# Altium PCB Shuttler_AMC.PcbDoc (part 3 of 12)
Units mm, origin at the board's own origin, x right, y up, seen from the top; angles counter-clockwise.
Board outline 180.71 x 148.55 mm, 12 copper layers (Layer 1, Layer 2, Layer 3, Layer 4, Layer 5, Layer 6, Layer 7, Layer 8, Layer 9, Layer 10, Layer 11, Layer 12), stack 2.14 mm thick; 1184 components, 1698 nets, 9088 pads, 920 vias.
Unrouted connection lines stored in the file: 1441.
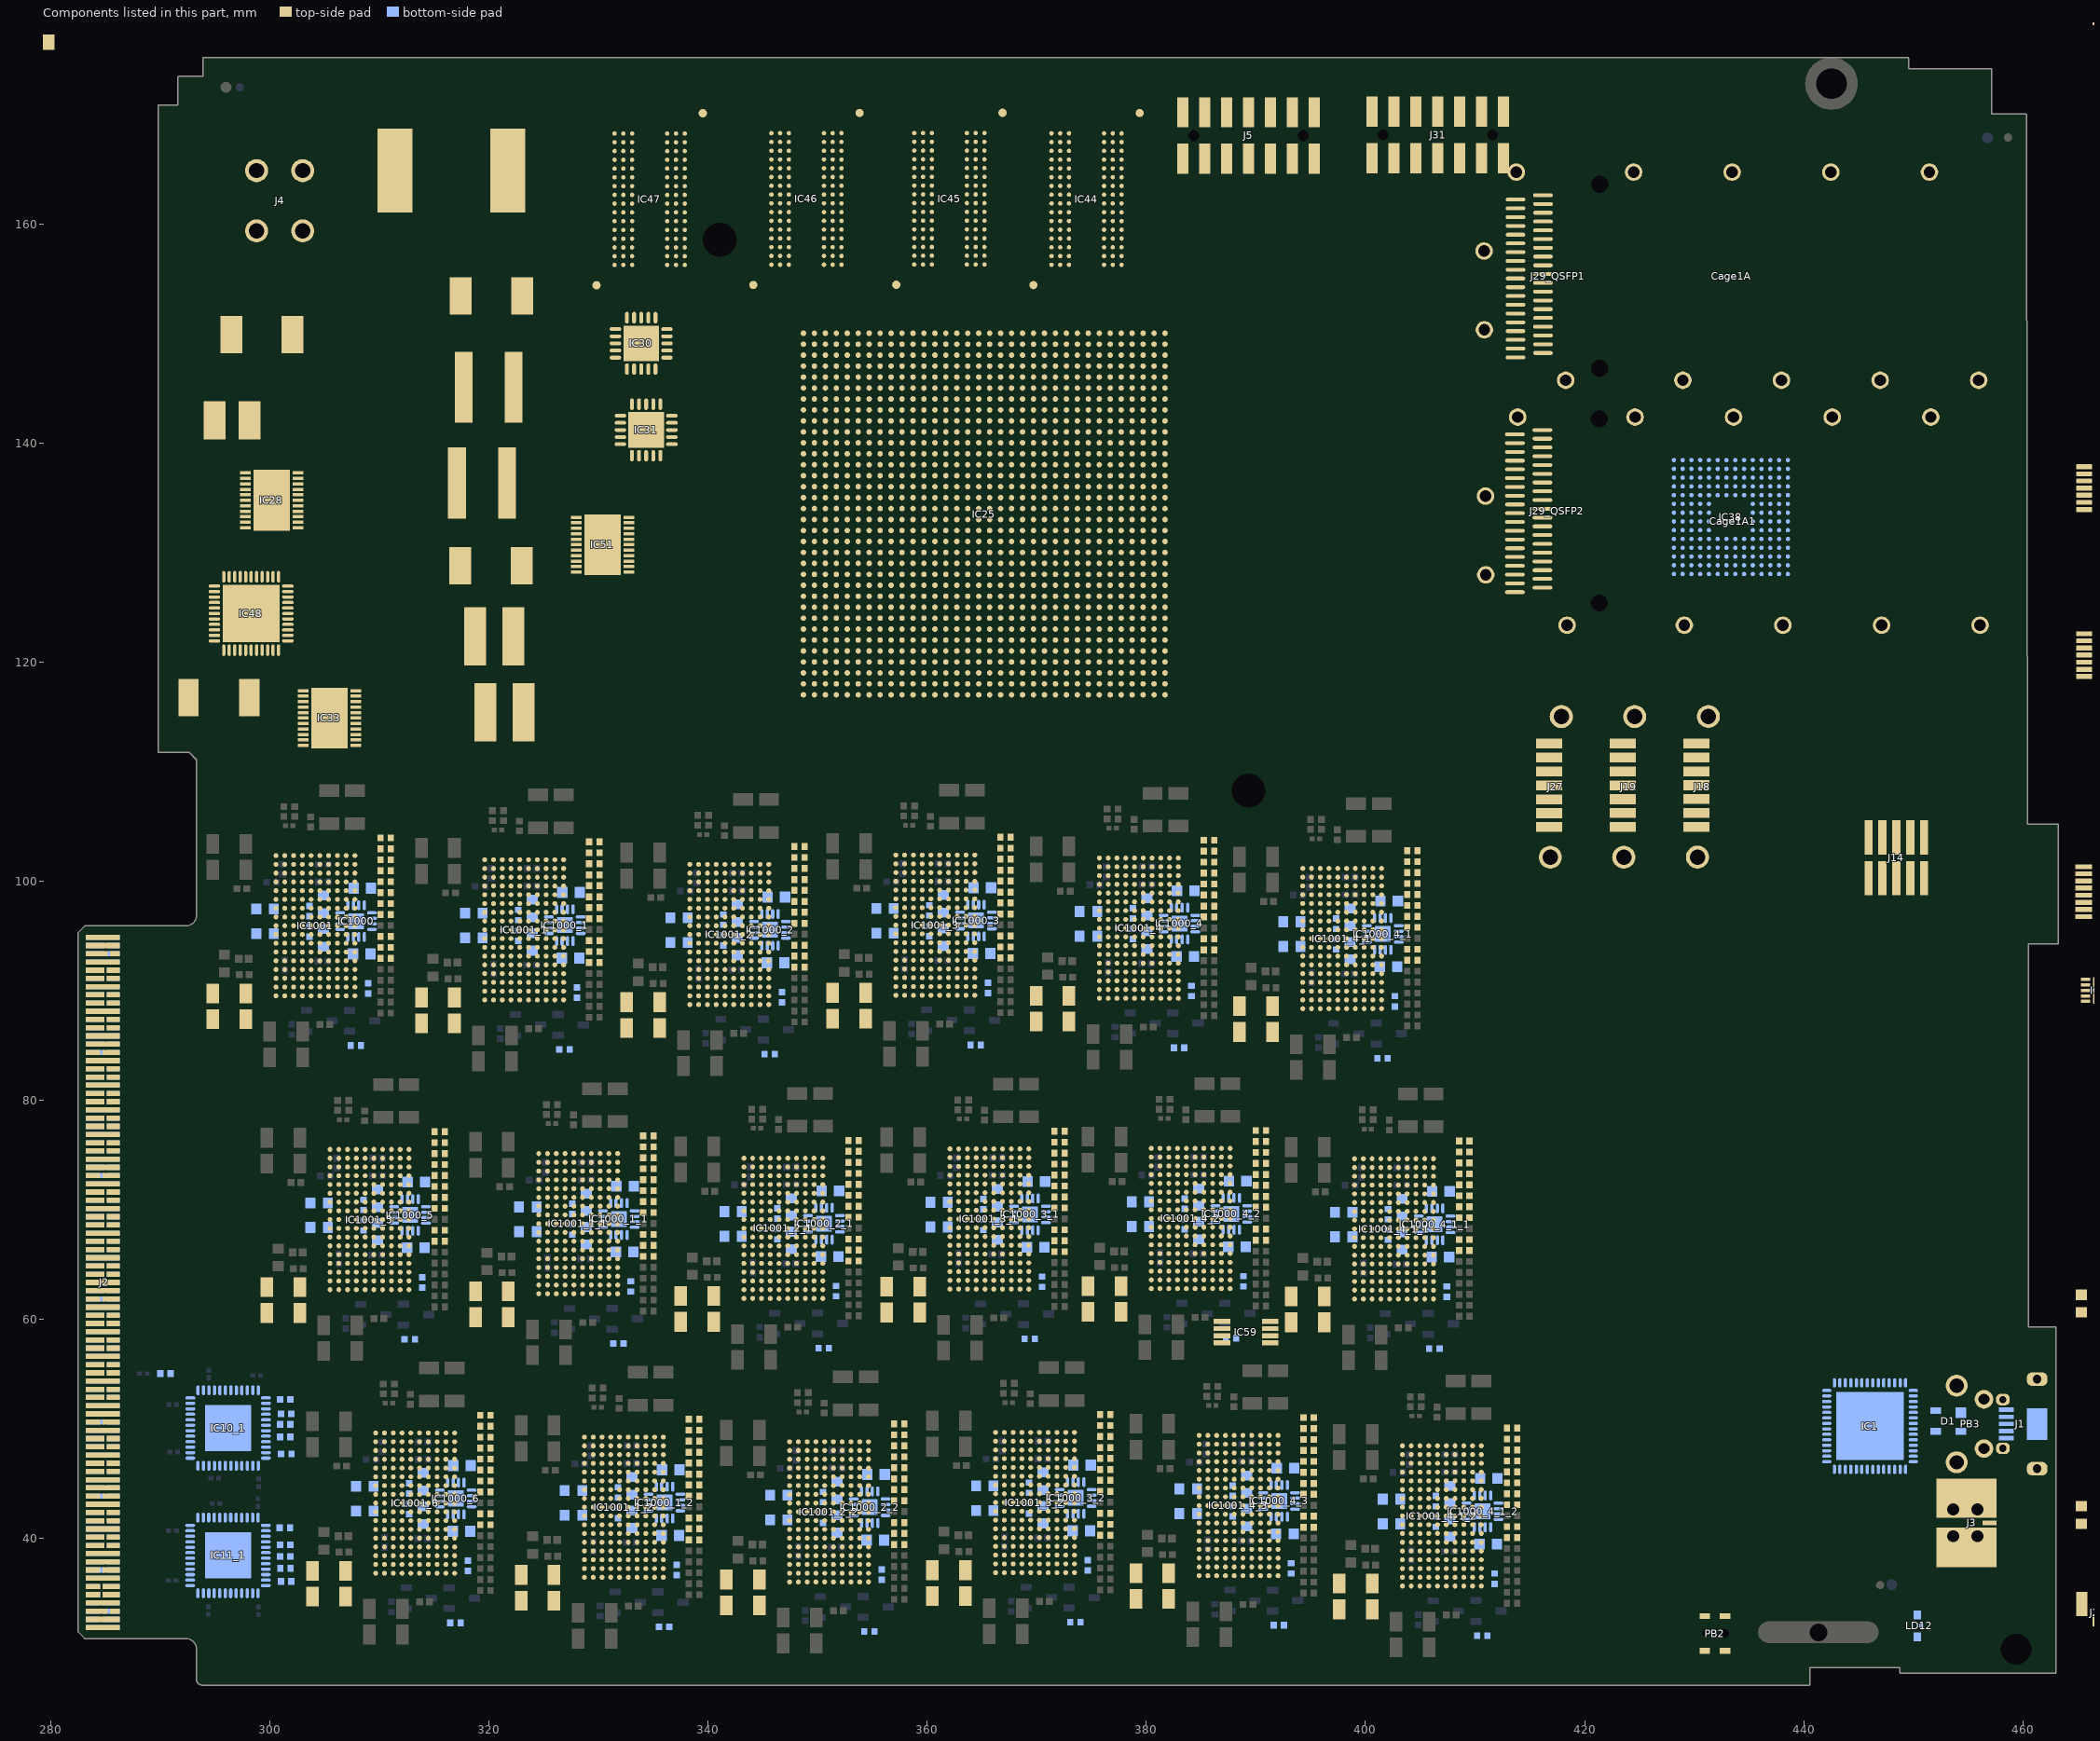
[diagram p9: the components of this part, seen from the top]

## Components (designator, comment, footprint, x,y, rotation, side; value= is the part's Value field where it differs from the comment) (continued)
C1021 "100uF" CAPC3216X180N 296.3,89.772 r0 top
C1021_1 "100uF" CAPC3216X180N 315.35,89.397 r0 top (schematic designator C1021)
C1021_1_1 "100uF" CAPC3216X180N 320.281,62.575 r0 top (schematic designator C1021)
C1021_1_2 "100uF" CAPC3216X180N 324.45,36.697 r0 top (schematic designator C1021)
C1021_2 "100uF" CAPC3216X180N 334.075,88.972 r0 top (schematic designator C1021)
C1021_2_1 "100uF" CAPC3216X180N 339.006,62.15 r0 top (schematic designator C1021)
C1021_2_2 "100uF" CAPC3216X180N 343.175,36.272 r0 top (schematic designator C1021)
C1021_3 "100uF" CAPC3216X180N 352.875,89.822 r0 top (schematic designator C1021)
C1021_3_1 "100uF" CAPC3216X180N 357.806,63 r0 top (schematic designator C1021)
C1021_3_2 "100uF" CAPC3216X180N 361.975,37.122 r0 top (schematic designator C1021)
C1021_4 "100uF" CAPC3216X180N 371.45,89.547 r0 top (schematic designator C1021)
C1021_4_1 "100uF" CAPC3216X180N 390.006,88.6 r0 top (schematic designator C1021)
C1021_4_1_1 "100uF" CAPC3216X180N 394.737,62.1 r0 top (schematic designator C1021)
C1021_4_1_2 "100uF" CAPC3216X180N 399.106,35.9 r0 top (schematic designator C1021)
C1021_4_2 "100uF" CAPC3216X180N 376.181,63.047 r0 top (schematic designator C1021)
C1021_4_3 "100uF" CAPC3216X180N 380.55,36.847 r0 top (schematic designator C1021)
C1021_5 "100uF" CAPC3216X180N 301.231,62.95 r0 top (schematic designator C1021)
C1021_6 "100uF" CAPC3216X180N 305.4,37.072 r0 top (schematic designator C1021)
C1022 "100uF" CAPC3216X180N 296.3,87.422 r0 top
C1022_1 "100uF" CAPC3216X180N 315.35,87.047 r0 top (schematic designator C1022)
C1022_1_1 "100uF" CAPC3216X180N 320.281,60.225 r0 top (schematic designator C1022)
C1022_1_2 "100uF" CAPC3216X180N 324.45,34.347 r0 top (schematic designator C1022)
C1022_2 "100uF" CAPC3216X180N 334.075,86.622 r0 top (schematic designator C1022)
C1022_2_1 "100uF" CAPC3216X180N 339.006,59.8 r0 top (schematic designator C1022)
C1022_2_2 "100uF" CAPC3216X180N 343.175,33.922 r0 top (schematic designator C1022)
C1022_3 "100uF" CAPC3216X180N 352.875,87.472 r0 top (schematic designator C1022)
C1022_3_1 "100uF" CAPC3216X180N 357.806,60.65 r0 top (schematic designator C1022)
C1022_3_2 "100uF" CAPC3216X180N 361.975,34.772 r0 top (schematic designator C1022)
C1022_4 "100uF" CAPC3216X180N 371.45,87.197 r0 top (schematic designator C1022)
C1022_4_1 "100uF" CAPC3216X180N 390.006,86.25 r0 top (schematic designator C1022)
C1022_4_1_1 "100uF" CAPC3216X180N 394.737,59.75 r0 top (schematic designator C1022)
C1022_4_1_2 "100uF" CAPC3216X180N 399.106,33.55 r0 top (schematic designator C1022)
C1022_4_2 "100uF" CAPC3216X180N 376.181,60.697 r0 top (schematic designator C1022)
C1022_4_3 "100uF" CAPC3216X180N 380.55,34.497 r0 top (schematic designator C1022)
C1022_5 "100uF" CAPC3216X180N 301.231,60.6 r0 top (schematic designator C1022)
C1022_6 "100uF" CAPC3216X180N 305.4,34.722 r0 top (schematic designator C1022)
Cage1A "1888781-1" TYCO_1888781-1 433.38,155.239 r180 top (schematic designator Cage1)
Cage1A1 "1888781-1" TYCO_1888781-1 433.51,132.875 r180 top (schematic designator Cage1)
D1 "PRTR5V0U2X" SOT190P230X110-4N 453.2,50.749 r180 bottom
HS1 "Comment" HS_AAVID_342947 365.195,133.423 r0 top locked
IC1 "FT4232H-56Q" QFN50P800X800X100-57N-S620 446.05,50.275 r180 bottom
IC2 "M93C46-WMN6TP" SOIC127P600X175-8N 572.324,161.188 r0 top
IC4 "LT3045EDD#PBF" SON50P300X300X80-11N-R175X248 483.362,41.91 r0 top
IC5 "LT3045EDD#PBF" SON50P300X300X80-11N-R175X248 517.652,41.91 r0 top
IC6 "TPS3808G33DBVT" SOT95P280X145-6N 487.934,79.248 r0 top
IC7 "LT3045EDD#PBF" SON50P300X300X80-11N-R175X248 472.821,41.91 r0 top
IC8 "LM75AIMM/NOPB" SOP65P490X109-8N 590.231,147.472 r90 top
IC9 "TCA9548ARGER" QFN50P400X400X100-25N-S220 474.98,216.281 r0 top
IC10_1 "Comment" QFN50P700X700X100-49N-S420 296.2,50.104 r0 bottom
IC11_1 "Comment" QFN50P700X700X100-49N-S420 296.184,38.47 r0 bottom
IC12 "ADCLK948BCPZ" QFN50P500X500X80-33N-S285 535.686,59.817 r0 top
IC13 "LT3045EDD#PBF" SON50P300X300X80-11N-R175X248 506.349,41.91 r0 top
IC14 "SN74CB3T3257PW" SOP65P640X120-16N 556.703,135.28 r0 top
IC15 "TLV62565DBVT" SOT95P280X145-5N 608.773,162.204 r0 top
IC16 "SN74CB3T3257PW" SOP65P640X120-16N 492.125,236.982 r0 top
IC17 "ADCLK948BCPZ" QFN50P500X500X80-33N-S285 523.113,59.817 r0 top
IC18 "TPS51200DRCT" "TEXAS_DRC (S-PVSON-N10)" 555.433,68.351 r0 top
IC19 "HMC830LP6GE" QFN50P600X600X90-41N-S475 514.604,59.436 r0 top
IC20 "SI53312-B-GM" QFN50P700X700X90-45N-S295 490.093,58.801 r0 top
IC21 "LT3045EDD#PBF" SON50P300X300X80-11N-R175X248 495.3,41.91 r0 top
IC22 "SI53312-B-GM" QFN50P700X700X90-45N-S295 479.933,58.801 r0 top
IC23 "N25Q256A13ESF40" SOIC127P1032X265-16N 492.76,133.35 r0 top
IC24 "N25Q256A13ESF40/DNP" SOIC127P1032X265-16N 479.552,133.35 r0 top
IC25 "XCKU040-1FFVA1156C" BGA1156C100P34X34_3500X3500X350 365.206,133.525 r0 top
IC26 "Si5324C-C-GM" QFN50P600X600X90-37N-S425 556.514,32.131 r0 top
IC27 "LT3083EDF#PBF" SON50P400X400X80-13N-R275X350 489.077,89.662 r0 top
IC28 "TPS53353DQPT" SON50P500X600X150-23N-R334X557 300.175,134.775 r0 top
IC29 "TPS62175DQC" SON50P200X300X80-11N-R94X250 269.617,154.427 r0 top
IC30 "TPS74401RGWT" QFN65P500X500X100-21N-S325 333.9,149.1 r0 top
IC31 "TPS74401RGWT" QFN65P500X500X100-21N-S325 334.35,141.2 r180 top
IC32 "SN74AVC2T245RSWR" QFN40P140X180X55-10N 482.6,238.887 r90 top
IC33 "TPS53353DQPT" SON50P500X600X150-23N-R334X557 305.45,114.9 r0 top
IC34 "LM75AIMM/NOPB" SOP65P490X109-8N 583.119,147.472 r90 top
IC35 "LM75AIMM/NOPB" SOP65P490X109-8N 568.895,147.472 r90 top
IC36 "LM75AIMM/NOPB" SOP65P490X109-8N 561.783,147.472 r90 top
IC37 "MAX6642ATT90+T" SON95P300X300X80-7N-R160X240 576.769,148.869 r0 top
IC38 "LPC1776FET180,551" BGA180C80P14X14_1200X1200X120 433.35,133.25 r180 bottom
IC39 "AT24MAC402-XHM" SOP65P640X120-8N 554.671,146.71 r90 top
IC40 "SN74AVC2T245RSWR" QFN40P140X180X55-10N 466.09,238.887 r90 top
IC41 "TPS62175DQC" SON50P200X300X80-11N-R94X250 270.189,177.648 r0 top
IC42 "74HC4066PW" SOP65P640X110-14N 468.503,135.89 r0 top
IC43 "TPS51200DRCT" "TEXAS_DRC (S-PVSON-N10)" 467.233,90.043 r0 top
IC44 "Comment" BGA96C80P9X16_800X1400X120 374.542,162.273 r180 top
IC45 "Comment" BGA96C80P9X16_800X1400X120 362.026,162.301 r180 top
IC46 "Comment" BGA96C80P9X16_800X1400X120 348.979,162.286 r180 top
IC47 "Comment" BGA96C80P9X16_800X1400X120 334.67,162.258 r180 top
IC48 "XR77129ELB-F" QFN50P700X700X80-45N-S520 298.3,124.45 r0 top
IC49 "TXB0304RUTR" "TEXAS_RUT (R-PUQFN-N12)" 562.799,162.966 r90 top
IC50 "TXB0304RUTR" "TEXAS_RUT (R-PUQFN-N12)" 584.008,162.966 r90 top
IC51 "TPS53353DQPT" SON50P500X600X150-23N-R334X557 330.375,130.725 r0 top
IC52 "TCA9548ARGER" QFN50P400X400X100-25N-S220 467.868,216.281 r0 top
IC53 "N25Q256A13ESF40" SOIC127P1032X265-16N 666.925,126.625 r0 top
IC54 "TPS3808G33DBVT" SOT95P280X145-6N 256.6,177.394 r0 top
IC55_QSFP1 "PCA9554PW" SOP65P640X110-16N 525.907,172.339 r0 top (schematic designator IC55)
IC55_QSFP2 "PCA9554PW" SOP65P640X110-16N 600.645,183.794 r90 top (schematic designator IC55)
IC56 "ADCLK948BCPZ" QFN50P500X500X80-33N-S285 571.119,32.639 r0 top
IC57 "LT3045EDD#PBF" SON50P300X300X80-11N-R175X248 490.347,34.036 r0 top
IC58 "LT3083EDF#PBF" SON50P400X400X80-13N-R275X350 510.413,89.662 r0 top
IC59 "LTC6655BHMS8-1.25#PBF" SOP65P490X110-8N 389.1,58.85 r180 top
IC60 "LT3080EDD#PBF" SON50P300X300X80-9N-R175X248 502.793,90.17 r0 top
IC61 "LT3083EDF#PBF" SON50P400X400X80-13N-R275X350 496.189,89.662 r0 top
IC62_Amplifier14 "ADA4927-1YCPZ-R2" QFN50P300X300X100-17N-S145 577.785,210.337 r90 top (schematic designator IC62)
IC63 "LT3083EDF#PBF" SON50P400X400X80-13N-R275X350 474.853,89.662 r0 top
IC64 "LTC6655BHMS8-3.3#PBF" SOP65P490X110-8N 480.695,88.773 r90 top
IC65 "SC18IS602B" SOP65P640X110-16N 523.875,99.06 r0 top
IC66 "SC18IS602B" SOP65P640X110-16N 514.604,99.06 r0 top
IC67 "SC18IS602B" SOP65P640X110-16N 505.46,99.06 r0 top
IC68 "SC18IS602B" SOP65P640X110-16N 496.189,99.06 r0 top
IC69 "SC18IS602B" SOP65P640X110-16N 486.918,99.06 r0 top
IC70 "PCA9534PW" SOP65P640X110-16N 477.774,99.06 r0 top
IC71 "PCA9534PW" SOP65P640X110-16N 468.503,99.06 r0 top
IC72 "LT3045EDD#PBF" SON50P300X300X80-11N-R175X248 264.899,201.26 r0 top
IC73 "LT3045EDD#PBF" SON50P300X300X80-11N-R175X248 251.945,201.26 r0 top
IC74 "TXB0108PW" SOP65P640X120-20N 487.807,248.92 r0 top
IC75 "TXB0108PW" SOP65P640X120-20N 468.503,248.92 r0 top
IC76 "88E1512-XX-NNP2I000" QFN50P800X800X100-57N-S437 503.682,118.872 r0 top
IC77 "74HC4066PW" SOP65P640X110-14N 468.503,120.65 r0 top
IC79 "LT3015EDD#PBF" SON50P300X300X80-9N-R175X248 271.141,164.46 r0 top
IC1000 "ADA4927-1YCPZ-R2" QFN50P300X300X100-17N-S145 307.875,96.372 r0 bottom
IC1000_1 "ADA4927-1YCPZ-R2" QFN50P300X300X100-17N-S145 326.925,95.997 r0 bottom (schematic designator IC1000)
IC1000_1_1 "ADA4927-1YCPZ-R2" QFN50P300X300X100-17N-S145 331.856,69.175 r0 bottom (schematic designator IC1000)
IC1000_1_2 "ADA4927-1YCPZ-R2" QFN50P300X300X100-17N-S145 336.025,43.297 r0 bottom (schematic designator IC1000)
IC1000_2 "ADA4927-1YCPZ-R2" QFN50P300X300X100-17N-S145 345.65,95.572 r0 bottom (schematic designator IC1000)
IC1000_2_1 "ADA4927-1YCPZ-R2" QFN50P300X300X100-17N-S145 350.581,68.75 r0 bottom (schematic designator IC1000)
IC1000_2_2 "ADA4927-1YCPZ-R2" QFN50P300X300X100-17N-S145 354.75,42.872 r0 bottom (schematic designator IC1000)
IC1000_3 "ADA4927-1YCPZ-R2" QFN50P300X300X100-17N-S145 364.45,96.422 r0 bottom (schematic designator IC1000)
IC1000_3_1 "ADA4927-1YCPZ-R2" QFN50P300X300X100-17N-S145 369.381,69.6 r0 bottom (schematic designator IC1000)
IC1000_3_2 "ADA4927-1YCPZ-R2" QFN50P300X300X100-17N-S145 373.55,43.722 r0 bottom (schematic designator IC1000)
IC1000_4 "ADA4927-1YCPZ-R2" QFN50P300X300X100-17N-S145 383.025,96.147 r0 bottom (schematic designator IC1000)
IC1000_4_1 "ADA4927-1YCPZ-R2" QFN50P300X300X100-17N-S145 401.581,95.2 r0 bottom (schematic designator IC1000)
IC1000_4_1_1 "ADA4927-1YCPZ-R2" QFN50P300X300X100-17N-S145 406.312,68.7 r0 bottom (schematic designator IC1000)
IC1000_4_1_2 "ADA4927-1YCPZ-R2" QFN50P300X300X100-17N-S145 410.681,42.5 r0 bottom (schematic designator IC1000)
IC1000_4_2 "ADA4927-1YCPZ-R2" QFN50P300X300X100-17N-S145 387.756,69.647 r0 bottom (schematic designator IC1000)
IC1000_4_3 "ADA4927-1YCPZ-R2" QFN50P300X300X100-17N-S145 392.125,43.447 r0 bottom (schematic designator IC1000)
IC1000_5 "ADA4927-1YCPZ-R2" QFN50P300X300X100-17N-S145 312.806,69.55 r0 bottom (schematic designator IC1000)
IC1000_6 "ADA4927-1YCPZ-R2" QFN50P300X300X100-17N-S145 316.975,43.672 r0 bottom (schematic designator IC1000)
IC1001 "LTC2000CY-16#PBF" "LINEAR_BGA(170) # 05-08-1890" 304.169,95.95 r0 top
IC1001_1 "LTC2000CY-16#PBF" "LINEAR_BGA(170) # 05-08-1890" 323.219,95.575 r0 top (schematic designator IC1001)
IC1001_1_1 "LTC2000CY-16#PBF" "LINEAR_BGA(170) # 05-08-1890" 328.15,68.753 r0 top (schematic designator IC1001)
IC1001_1_2 "LTC2000CY-16#PBF" "LINEAR_BGA(170) # 05-08-1890" 332.319,42.875 r0 top (schematic designator IC1001)
IC1001_2 "LTC2000CY-16#PBF" "LINEAR_BGA(170) # 05-08-1890" 341.944,95.15 r0 top (schematic designator IC1001)
IC1001_2_1 "LTC2000CY-16#PBF" "LINEAR_BGA(170) # 05-08-1890" 346.875,68.328 r0 top (schematic designator IC1001)
IC1001_2_2 "LTC2000CY-16#PBF" "LINEAR_BGA(170) # 05-08-1890" 351.044,42.45 r0 top (schematic designator IC1001)
IC1001_3 "LTC2000CY-16#PBF" "LINEAR_BGA(170) # 05-08-1890" 360.744,96 r0 top (schematic designator IC1001)
IC1001_3_1 "LTC2000CY-16#PBF" "LINEAR_BGA(170) # 05-08-1890" 365.675,69.178 r0 top (schematic designator IC1001)
IC1001_3_2 "LTC2000CY-16#PBF" "LINEAR_BGA(170) # 05-08-1890" 369.844,43.3 r0 top (schematic designator IC1001)
IC1001_4 "LTC2000CY-16#PBF" "LINEAR_BGA(170) # 05-08-1890" 379.319,95.725 r0 top (schematic designator IC1001)
IC1001_4_1 "LTC2000CY-16#PBF" "LINEAR_BGA(170) # 05-08-1890" 397.875,94.778 r0 top (schematic designator IC1001)
IC1001_4_1_1 "LTC2000CY-16#PBF" "LINEAR_BGA(170) # 05-08-1890" 402.606,68.278 r0 top (schematic designator IC1001)
IC1001_4_1_2 "LTC2000CY-16#PBF" "LINEAR_BGA(170) # 05-08-1890" 406.975,42.078 r0 top (schematic designator IC1001)
IC1001_4_2 "LTC2000CY-16#PBF" "LINEAR_BGA(170) # 05-08-1890" 384.05,69.225 r0 top (schematic designator IC1001)
IC1001_4_3 "LTC2000CY-16#PBF" "LINEAR_BGA(170) # 05-08-1890" 388.419,43.025 r0 top (schematic designator IC1001)
IC1001_5 "LTC2000CY-16#PBF" "LINEAR_BGA(170) # 05-08-1890" 309.1,69.128 r0 top (schematic designator IC1001)
IC1001_6 "LTC2000CY-16#PBF" "LINEAR_BGA(170) # 05-08-1890" 313.269,43.25 r0 top (schematic designator IC1001)
J1 "Micro-USB AB 2.0" HIROSE_ZX62RD-AB-5P8 459.275,50.475 r270 bottom
J2 "AMC-CN-2S-M-R274" AMC-GF-2D-750-O274 284.762,63.39 r90 bottom locked
J3 "SMA" CINCH_142-0761-801 456.975,41.45 r180 top
J4 "Mini-Fit Jr.™" MOLEX_39-28-1043 300.9,162.125 r0 top
J5 "Milli-Grid™" MOLEX_87832-1420 389.325,168.075 r0 top
J6 "U.FL" HIROSE_U.FL-R-SMT-1(10) 563.88,34.036 r0 top value=DNP
J7 "U.FL" HIROSE_U.FL-R-SMT-1(10) 548.767,34.036 r0 top value=DNP
J8 "U.FL" HIROSE_U.FL-R-SMT-1(10) 542.925,34.036 r0 top
J9 "U.FL" HIROSE_U.FL-R-SMT-1(10) 536.956,34.036 r0 top
J10 "U.FL" HIROSE_U.FL-R-SMT-1(10) 514.731,34.036 r0 top value=DNP
J11 "U.FL" HIROSE_U.FL-R-SMT-1(10) 508.889,34.036 r0 top value=DNP
J12 "U.FL" HIROSE_U.FL-R-SMT-1(10) 502.92,34.036 r0 top value=DNP
J14 "Header 10" SAMTEC_FTS-105-02-F-DV 448.45,102.15 r0 top
J15 "U.FL" HIROSE_U.FL-R-SMT-1(10) 497.078,34.036 r0 top value=DNP
J16 "U.FL" HIROSE_U.FL-R-SMT-1(10) 472.694,180.213 r0 top
J17 "U.FL" HIROSE_U.FL-R-SMT-1(10) 466.852,180.213 r0 top
J18 "SATA" MOLEX_67800-5005 430.2,108.775 r270 top
J19 "SATA" MOLEX_67800-5005 423.475,108.765 r270 top
J20 "U.FL" HIROSE_U.FL-R-SMT-1(10) 522.224,201.549 r0 top
J21 "U.FL" HIROSE_U.FL-R-SMT-1(10) 516.382,201.549 r0 top
J22 "U.FL" HIROSE_U.FL-R-SMT-1(10) 510.54,201.549 r0 top
J23 "U.FL" HIROSE_U.FL-R-SMT-1(10) 504.698,201.549 r0 top
J24 "U.FL" HIROSE_U.FL-R-SMT-1(10) 466.852,34.036 r0 top value=DNP
J27 "SATA" MOLEX_67800-5005 416.775,108.76 r270 top
J29_QSFP1 "QSFP+" TYCO_2110819-1 414.945,155.225 r180 top (schematic designator J29)
J29_QSFP2 "QSFP+" TYCO_2110819-1 414.895,133.8 r180 top (schematic designator J29)
J31 "Milli-Grid™" MOLEX_87832-1420 406.6,168.125 r0 top
L1 "120R@100MHz" INDC1608X65N 615.123,163.347 r0 top
L2 "120R@100MHz" INDC1608X65N 554.29,163.347 r0 top
L3 "120R@100MHz" INDC1608X65N 558.608,163.347 r0 top
L4 "120R@100MHz" INDC1608X95N 477.774,42.926 r0 top
L5 "47nH" INDC2014X145N 507.365,61.976 r0 top
L6 "120R@100MHz" INDC1608X95N 512.064,42.926 r0 top
L7 "120R@100MHz" INDC1608X95N 500.761,42.926 r0 top
L8 "120R@100MHz" INDC1608X95N 502.666,62.23 r0 top
L9 "120R@100MHz" INDC1608X95N 529.209,62.23 r0 top
L10 "120R@100MHz" INDC1608X95N 496.316,61.468 r90 top
L11 "120R@100MHz" INDC1608X95N 471.678,62.23 r0 top
L12 "120R@100MHz" INDC1608X95N 465.328,61.468 r90 top
L13 "120R@100MHz" INDC1608X95N 465.328,42.164 r90 top
L14 "120R@100MHz" INDC1608X95N 524.637,34.29 r90 top
L15 "120R@100MHz" INDC1608X95N 477.012,34.29 r90 top
L16 "120R@100MHz" INDC1005X55N 465.074,208.534 r90 top
L18 "60R@100MHz" INDC4516X180N 320.525,190.084 r90 top
L19 "60R@100MHz" INDC4516X180N 305.412,190.084 r90 top
L20 "60R@100MHz" INDC4516X180N 274.678,190.084 r90 top
L21 "60R@100MHz" INDC4516X180N 280.52,190.084 r90 top
L22 "60R@100MHz" INDC4516X180N 279.45,178.6 r90 top
L23 "33R@100MHz" INDC1608X95N 339.575,191.481 r90 top
L24 "33R@100MHz" INDC1608X95N 359.514,191.481 r90 top
L25 "440nH" IND_PULSE_PA0513 316.575,164.875 r0 top
L26 "2.2uH" IND_WURTH_WE-PMCI_0806LR 602.296,162.966 r0 top
L27 "120R@100MHz" INDC1608X95N 471.17,34.29 r90 top
L28 "10uH" IND_WURTH_WE-SPC-4838 320.5,122.35 r0 top
L29_Amplifier14 "120R@100MHz" INDC1608X95N 600.518,210.972 r90 top (schematic designator L29)
L30_Amplifier14 "120R@100MHz" INDC1608X95N 553.528,210.972 r90 top (schematic designator L30)
L31 "600R@100MHz" INDC2012X110N 264.283,155.316 r0 top
L32 "120R@100MHz" INDC1608X95N 487.553,42.164 r90 top
L33 "120R@100MHz" INDC1608X95N 482.6,34.29 r90 top
L34 "4.7uH" IND_TDK_SPM6530 295.35,116.775 r0 top
L35 "120R@100MHz" INDC1005X55N 491.236,202.438 r90 top
L36 "120R@100MHz" INDC1005X55N 497.078,202.438 r90 top
L37 "10uH" IND_MURATA-PS_8400 296.55,142.075 r0 top
L38 "120R@100MHz" INDC1608X95N 480.695,79.756 r90 top
L39 "120R@100MHz" INDC1608X95N 345.417,191.481 r90 top
L40 "120R@100MHz" INDC1608X95N 325.605,191.481 r90 top
L41 "2.2uH" IND_BOURNS_SRP6540 320.221,153.449 r0 top
L42 "2.2uH" IND_BOURNS_SRP6540 299.285,149.899 r0 top
L43 "2.2uH" IND_BOURNS_SRP6540 320.2,128.825 r0 top
L44 "1.8uH" IND_COILCRAFT_XAL7070 319.375,136.35 r0 top
L45 "120R@100MHz" INDC1608X95N 259.057,191.481 r90 top
L46 "1.8uH" IND_COILCRAFT_XAL7070 319.975,145.1 r0 top
L47 "120R@100MHz" INDC1608X95N 257.152,201.514 r90 top
L48 "120R@100MHz" INDC1608X95N 276.348,164.714 r90 top
L49 "120R@100MHz" INDC1608X95N 263.394,164.714 r90 top
L50 "4.7uH" IND_WURTH_WE-SPC-4838 321.425,115.425 r0 top
L51_QSFP2 "220R@100MHz" INDC2012X105N 583.754,185.953 r90 top (schematic designator L51)
L52_QSFP2 "220R@100MHz" INDC2012X105N 568.768,185.953 r90 top (schematic designator L52)
L53_QSFP2 "220R@100MHz" INDC2012X105N 553.782,185.953 r90 top (schematic designator L53)
L54 "120R@100MHz" INDC1005X55N 488.696,122.682 r90 top
L55 "120R@100MHz" INDC1005X55N 482.854,122.682 r90 top
L1000 "120R@100MHz" INDC1608X95N 308.45,99.372 r0 bottom
L1000_1 "120R@100MHz" INDC1608X95N 327.5,98.997 r0 bottom (schematic designator L1000)
L1000_1_1 "120R@100MHz" INDC1608X95N 332.431,72.175 r0 bottom (schematic designator L1000)
L1000_1_2 "120R@100MHz" INDC1608X95N 336.6,46.297 r0 bottom (schematic designator L1000)
L1000_2 "120R@100MHz" INDC1608X95N 346.225,98.572 r0 bottom (schematic designator L1000)
L1000_2_1 "120R@100MHz" INDC1608X95N 351.156,71.75 r0 bottom (schematic designator L1000)
L1000_2_2 "120R@100MHz" INDC1608X95N 355.325,45.872 r0 bottom (schematic designator L1000)
L1000_3 "120R@100MHz" INDC1608X95N 365.025,99.422 r0 bottom (schematic designator L1000)
L1000_3_1 "120R@100MHz" INDC1608X95N 369.956,72.6 r0 bottom (schematic designator L1000)
L1000_3_2 "120R@100MHz" INDC1608X95N 374.125,46.722 r0 bottom (schematic designator L1000)
L1000_4 "120R@100MHz" INDC1608X95N 383.6,99.147 r0 bottom (schematic designator L1000)
L1000_4_1 "120R@100MHz" INDC1608X95N 402.156,98.2 r0 bottom (schematic designator L1000)
L1000_4_1_1 "120R@100MHz" INDC1608X95N 406.887,71.7 r0 bottom (schematic designator L1000)
L1000_4_1_2 "120R@100MHz" INDC1608X95N 411.256,45.5 r0 bottom (schematic designator L1000)
L1000_4_2 "120R@100MHz" INDC1608X95N 388.331,72.647 r0 bottom (schematic designator L1000)
L1000_4_3 "120R@100MHz" INDC1608X95N 392.7,46.447 r0 bottom (schematic designator L1000)
L1000_5 "120R@100MHz" INDC1608X95N 313.381,72.55 r0 bottom (schematic designator L1000)
L1000_6 "120R@100MHz" INDC1608X95N 317.55,46.672 r0 bottom (schematic designator L1000)
L1001 "120R@100MHz" INDC1608X95N 308.4,93.372 r180 bottom
L1001_1 "120R@100MHz" INDC1608X95N 327.45,92.997 r180 bottom (schematic designator L1001)
L1001_1_1 "120R@100MHz" INDC1608X95N 332.381,66.175 r180 bottom (schematic designator L1001)
L1001_1_2 "120R@100MHz" INDC1608X95N 336.55,40.297 r180 bottom (schematic designator L1001)
L1001_2 "120R@100MHz" INDC1608X95N 346.175,92.572 r180 bottom (schematic designator L1001)
L1001_2_1 "120R@100MHz" INDC1608X95N 351.106,65.75 r180 bottom (schematic designator L1001)
L1001_2_2 "120R@100MHz" INDC1608X95N 355.275,39.872 r180 bottom (schematic designator L1001)
L1001_3 "120R@100MHz" INDC1608X95N 364.975,93.422 r180 bottom (schematic designator L1001)
L1001_3_1 "120R@100MHz" INDC1608X95N 369.906,66.6 r180 bottom (schematic designator L1001)
L1001_3_2 "120R@100MHz" INDC1608X95N 374.075,40.722 r180 bottom (schematic designator L1001)
L1001_4 "120R@100MHz" INDC1608X95N 383.55,93.147 r180 bottom (schematic designator L1001)
L1001_4_1 "120R@100MHz" INDC1608X95N 402.106,92.2 r180 bottom (schematic designator L1001)
L1001_4_1_1 "120R@100MHz" INDC1608X95N 406.837,65.7 r180 bottom (schematic designator L1001)
L1001_4_1_2 "120R@100MHz" INDC1608X95N 411.206,39.5 r180 bottom (schematic designator L1001)
L1001_4_2 "120R@100MHz" INDC1608X95N 388.281,66.647 r180 bottom (schematic designator L1001)